# Allegro board Single PMT Data AcquisitionV_3P3.brd (continued)
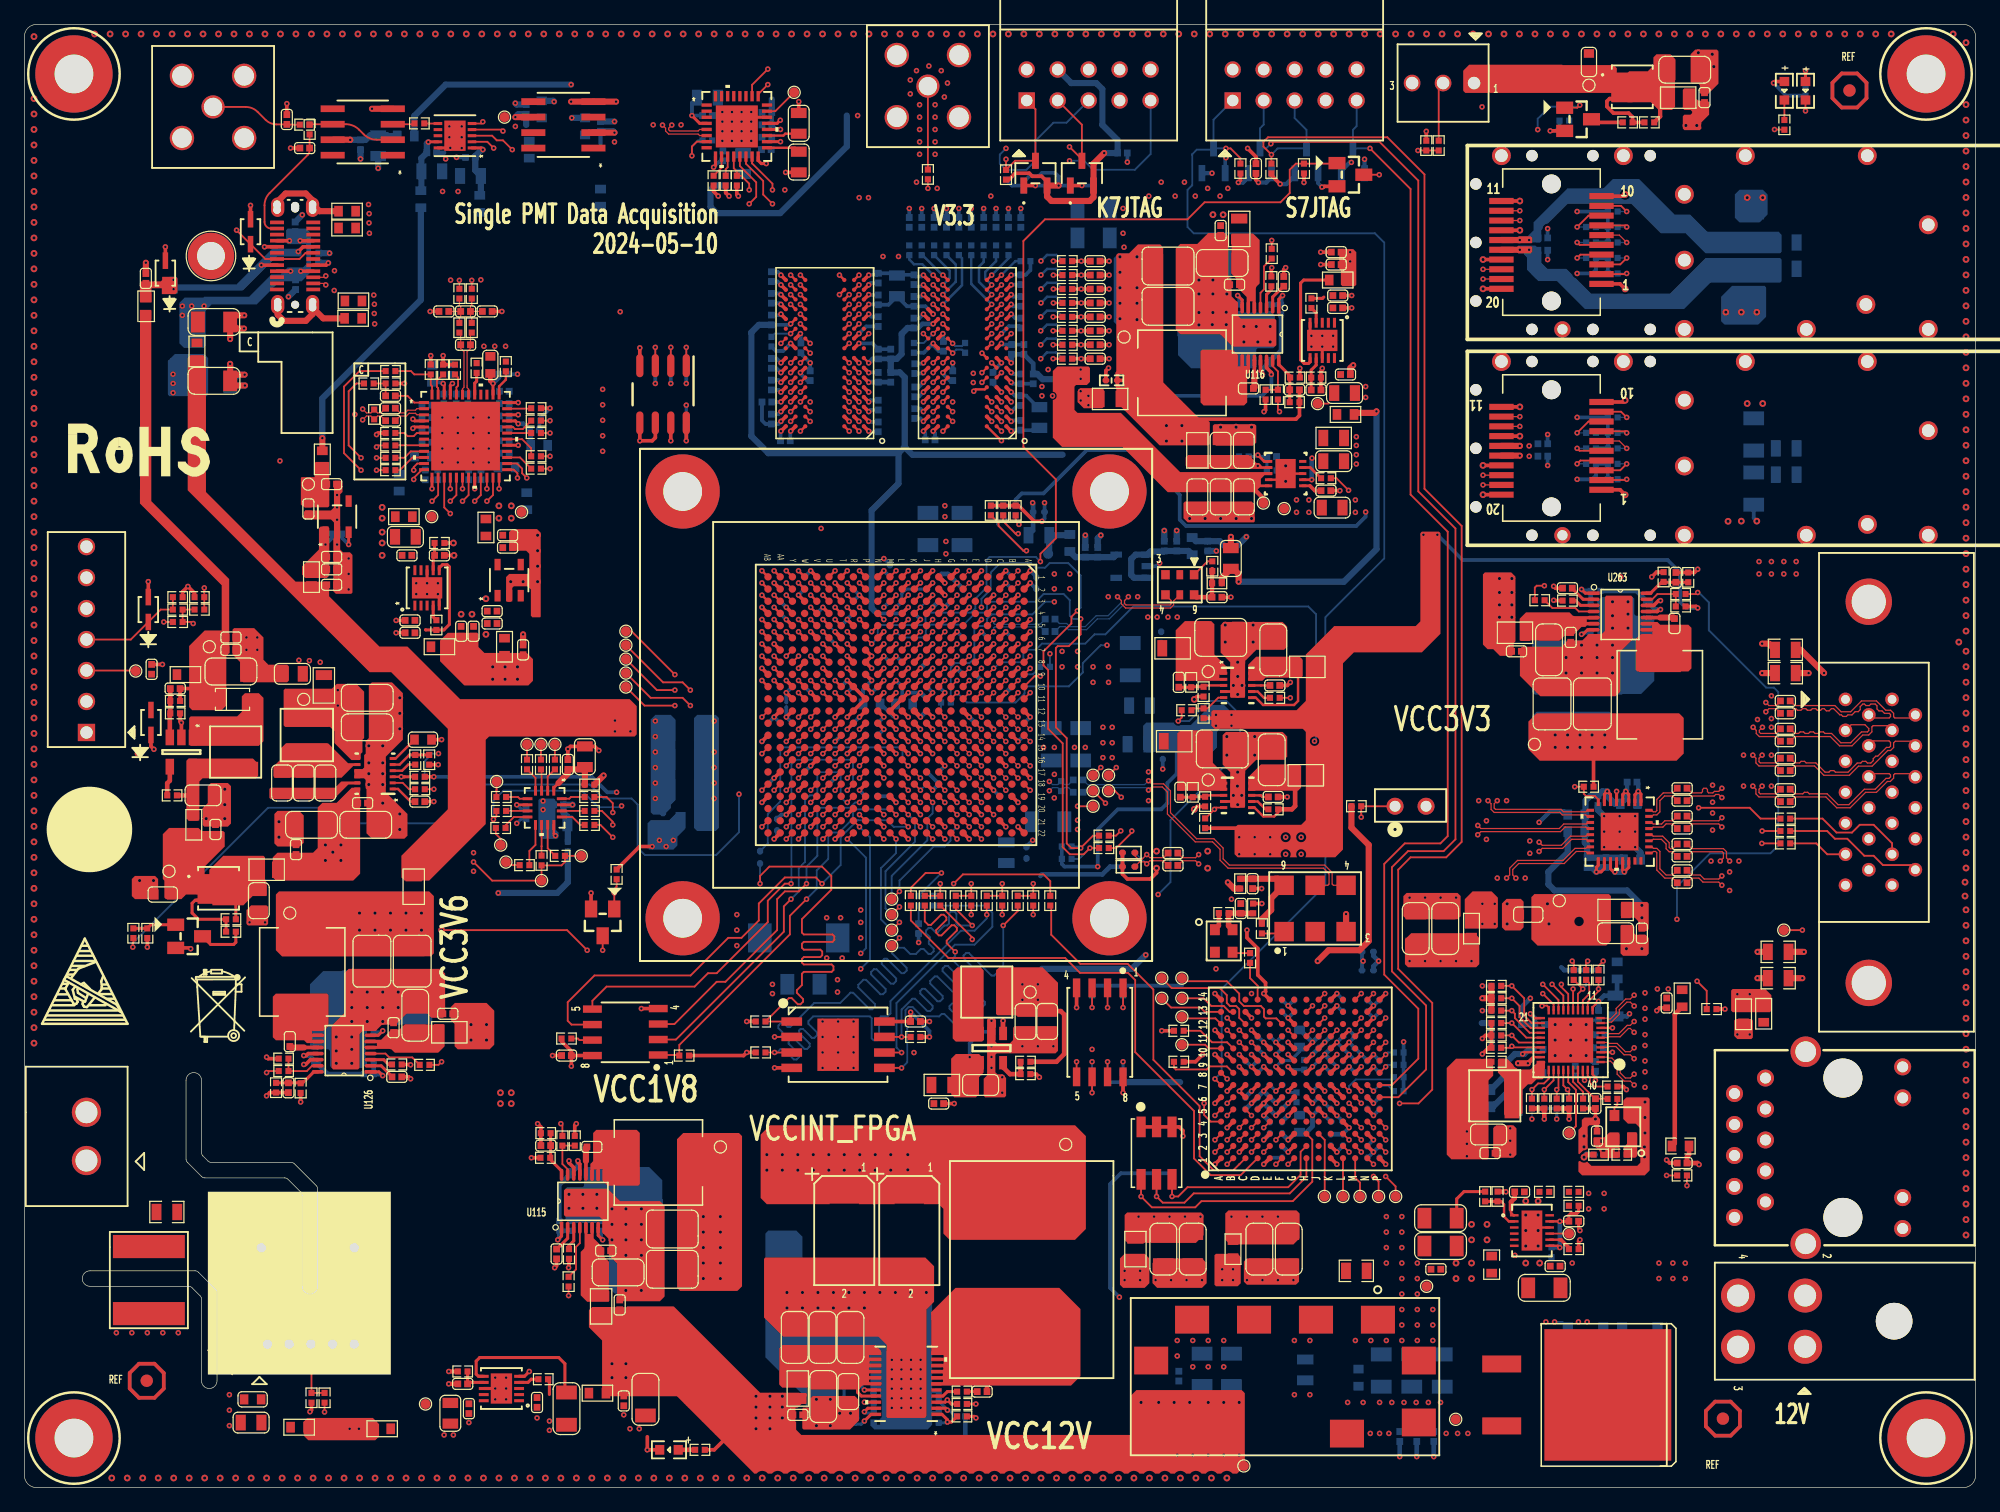
[diagram p0: board, top side]
## Placement (name value [footprint] x y rotation side) (continued)
C2380  10UF  [C0805]  14.65 56.77 0 top
C2381  0.1UF  [C0402]  15.67 53.98 270 top
C2382  10UF  [C1206]  16.94 66.93 0 top
C2383  0.1UF  [C0402]  16.94 68.71 180 top
C2384  100PF  [C0402]  12.37 65.53 0 top
C2385  0.1UF  [C0402]  16.94 69.72 180 top
C2412  0.1UF  [C0402]  9.96 99.17 270 top
C2413  0.1UF  [C0402_BGA]  82.17 52.07 90 bottom
C2414  10UF  [C0805]  18.59 5.33 180 top
C2415  0.1UF  [C0402]  47.24 111.63 270 bottom
C2416  1UF  [C0603]  45.97 111.63 90 bottom
C2417  1UF  [C0603]  42.42 113.03 90 bottom
C2418  0.1UF  [C0402]  41.15 113.03 270 bottom
C2422  10UF  [C0805]  56.01 113.99 0 bottom
C2423  0.1UF  [C0402]  60.88 112.78 0 bottom
C2424  0.1UF  [C0402]  60.88 111.76 0 bottom
C2425  0.1UF  [C0402]  56.01 112.52 180 bottom
C2428  0.1UF  [C0402]  60.88 110.74 0 bottom
C2429  0.1UF  [C0402]  57.28 109.22 270 bottom
C2430  0.1UF  [C0402]  60.83 109.73 0 bottom
C2433  0.1UF  [C0402]  22.27 52.32 270 top
C2434  10UF  [C0805]  19.23 48.13 270 top
C2435  1UF  [C0603]  11.35 48.64 180 top
C2438  10UF  [C0805]  63.5 111.89 90 top
C2439  10UF  [C0805]  63.5 108.71 270 top
C2440  10UF  [C0805]  58.93 108.58 90 bottom
C2441  4.7UF  [C0402]  105.92 90.02 0 top
C2442  10UF  [C0805]  33.4 107.95 0 bottom
C2443  0.1UF  [C0402]  33.4 109.47 0 bottom
C2446  10UF  [C0805]  29.01 110.05 270 bottom
C2447  0.1UF  [C0402]  27.56 110.13 270 bottom
C2448  10UF  [C0805]  36.58 107.57 180 bottom
C2449  0.1UF  [C0402]  36.58 109.09 180 bottom
C2450  0.1UF  [C0402]  97.79 73.03 180 top
C2451  0.1UF  [C0402]  144.4 64.52 180 top
C2452  0.1UF  [C0402]  144.4 63.5 180 top
C2453  0.1UF  [C0402]  144.4 61.21 180 top
C2454  0.1UF  [C0402]  144.4 62.23 180 top
C2455  0.1UF  [C0402]  144.4 58.8 180 top
C2456  0.1UF  [C0402]  144.4 59.82 180 top
C2457  0.1UF  [C0402]  144.4 56.26 180 top
C2458  0.1UF  [C0402]  144.4 57.28 180 top
C2459  0.1UF  [C0402]  135.94 57.35 0 top
C2460  0.1UF  [C0402]  135.94 56.34 0 top
C2461  0.1UF  [C0402]  135.94 55.07 0 top
C2462  0.1UF  [C0402]  135.94 54.05 0 top
C2463  0.1UF  [C0402]  135.94 52.78 0 top
C2464  0.1UF  [C0402]  135.94 51.77 0 top
C2465  0.1UF  [C0402]  135.94 50.62 0 top
C2466  0.1UF  [C0402]  135.94 49.61 0 top
C2467  1UF  [C0603]  131.57 56.08 0 bottom
C2468  1UF  [C0603]  131.83 51.51 0 bottom
C2469  0.1UF  [C0402]  129.03 56.34 90 bottom
C2470  0.1UF  [C0402]  129.69 51.26 90 bottom
C2471  1UF  [C0603]  127.25 55.19 180 bottom
C2472  0.1UF  [C0402]  131.83 57.86 180 bottom
C2473  0.1UF  [C0402]  128.14 51.26 90 bottom
C2474  0.1UF  [C0402]  107.7 96.75 180 top
C2475  4.7UF  [C0402]  36.83 70.23 90 top
C2476  0.1UF  [C0402]  31.62 71.12 0 top
C2477  4.7UF  [C0402]  34.04 76.45 0 top
C2478  0.1UF  [C0402]  38.35 71.88 0 top
C2479  10UF  [C1206]  50.93 7.24 270 top
C2480  0.1UF  [C0402]  42.04 6.99 90 top
C2481  0.1UF  [C0402]  36.45 6.48 90 top
C2482  0.1UF  [C0402_BGA]  75.47 72.69 0 bottom
C2483  4.7UF  [C0402_BGA]  83.18 80.01 0 bottom
C2484  10UF  [C0805]  98.93 76.2 90 top
C2485  0.1UF  [C0402]  97.03 77.22 90 bottom
C2486  4.7UF  [C0402]  93.47 77.22 90 bottom
C2487  0.1UF  [C0402]  94.49 77.22 270 bottom
C2488  4.7UF  [C0402]  88.01 76.71 90 bottom
C2489  0.1UF  [C0402]  87 76.71 270 bottom
C2490  22UF  [C1206]  141.8 86.37 90 bottom
C2491  0.1UF  [C0402]  124.51 85.61 0 bottom
C2492  22UF  [C1206]  141.8 81.93 270 bottom
C2493  0.1UF  [C0402]  124.51 84.59 0 bottom
C2494  0.1UF  [C0402]  44.45 35.43 180 top
C2495  0.47UF  [C0402_BGA]  63.98 58.2 270 bottom
C2499  0.1UF  [C0402]  22.24 98.65 90 bottom
C2500  0.1UF  [C0402]  22.2 103.39 270 bottom
C2501  0.1UF  [C0402]  21.52 112.2 270 top
C2960  10PF  [C0402]  37.96 96.46 180 top
C2961  10PF  [C0402]  34.4 96.46 0 top
C2962  10UF  [C1206]  15.55 95.59 0 top
C2963  10UF  [C1206]  15.55 90.77 0 top
C2964  10UF  [C1206]  15.56 90.63 0 bottom
C2965  0.1UF  [C0402]  22.99 109.86 0 top
C2966  0.1UF  [C0402]  10.43 67.11 270 top
C2967  0.1UF  [C0402]  24.13 100.84 270 bottom
CC1  330UF  [C2917X]  63.5 45.09 90 bottom
CC7  330UF  [C2917X]  67.23 21.08 180 top
CC8  330UF  [C2917X]  72.56 21.08 180 top
CR1  -  [PESD3V3L1BA]  18.54 103 90 top
CR2  -  [PESD15VL1BA]  11.56 99.6 270 top
CR3  -  [PESD15VL1BA]  10.38 62.75 90 top
CR4  -  [PESD3V3L1BA]  10.16 72.01 90 top
D1  MBR0530T1G  [MBR0530]  17.07 64.64 180 top
D2  BAT54SLT1G  [SOT-23]  82.91 107.8 0 top
D3  BAT54SLT1G  [SOT-23]  86.72 107.8 0 top
D4  BAT54SLT1G  [SOT-23]  82.91 107.8 180 bottom
D5  BAT54SLT1G  [SOT-23]  86.72 107.8 180 bottom
D6  BAT54SLT1G  [SOT-23]  108.94 108.81 180 bottom
D7  BAT54SLT1G  [SOT-23]  105.13 108.81 180 bottom
D8  BAT54SLT1G  [SOT-23]  101.32 108.81 180 bottom
D9  BAT54SLT1G  [SOT-23]  97.51 108.81 180 bottom
DS10  SML-LX0603GW-TR  [LED_0603]  144.32 114.55 270 top
DS18  SML-LX0603GW-TR  [LED_0603]  146.05 114.55 270 top
DS24  SML-LX0603GW-TR  [LED_0603]  52.86 3.1 180 top
J1  JTAG  [SBH11-PBPC-D05-ST-BK]  87.27 115.03 0 top
J2  USB4160-03-0230-C  [CONN_USB4160-03-0230-C_GCT]  22.2 101.01 90 top
J6  KRJ-320DNL  [KRJ-320DNL_14P]  149.12 27.87 90 top
J18  -  [0039301040]  149.52 13.65 90 top
J31  RF2-04A-T-00-50-G_DNP  [RF2-04A-T-00-50-G]  74.09 114.94 90 top
J56  JTAG  [SBH11-PBPC-D05-ST-BK]  104.16 115.03 0 top
J60  -  [0022112072]  5.09 69.55 90 top
J61  0022112032_DNP  [0022112032]  116.33 115.19 180 top
J71  -  [RF2-04A-T-00-50-G]  15.47 113.23 0 top
J75  -  [10226-55G3PC]  152.46 57.02 270 top
J76  -  [0353130260]  5.09 28.8 90 top
J77  -  [CON_2]  113.67 55.88 0 top
J78  -  [THS103J]  92.84 27.43 0 top
L3  BLM18SG121TN1D  [L0603]  69.47 64.26 0 bottom
L5  BLM18SG121TN1D  [L0603]  72.14 64.26 180 bottom
L6  BLM21SN300SN1D  [L0805]  144.47 102.11 180 bottom
L7  BLM21SN300SN1D  [L0805]  144.47 99.95 180 bottom
L34  BLM21SN300SN1D  [L0805]  91.31 60.96 0 bottom
L35  BLM18SG121TN1D  [L0603]  99.11 19.56 270 top
L36  BLM21SN300SN1D  [L0805]  91.11 19.56 270 top
L40  BLM18SG121TZ1D_DNP  [L0603]  104.57 36.83 90 bottom
L41  BLM18SG121TZ1D_DNP  [L0603]  104.57 29.84 90 bottom
L42  BLM18SG121TN1D  [L0603]  142.62 38.86 270 top
L43  BLM18SG121TN1D  [L0603]  118.67 45.85 90 top
L44  BLM18SG121TN1D_DNP  [L0603]  135.94 40.13 270 top
L45  BLM15PD121SN1D  [L0402]  129.08 27.3 180 top
L47  BLM15PD121SN1D  [L0402]  46.34 57.65 180 top
L48  BLM15PD121SN1D  [L0402]  44.57 52.57 90 bottom
L50  BLM18SG121TN1D  [L0603]  30.73 82.42 90 bottom
L51  BLM18SG121TN1D  [L0603]  41.2 80.9 90 bottom
L52  BLM18SG121TN1D  [L0603]  42.21 85.47 180 bottom
L54  BLM15PD121SN1D  [L0402]  99.69 49.53 270 top
L55  BLM15PD121SN1D  [L0402]  100.76 47.5 90 top
L85  0.44UH  [PA0513_441NLT]  82.6 17.78 270 top
L86  IHLP2525CZER2R2M01  [IHLP_2525CZ_01]  51.99 26.67 0 top
L89  BLM21SN300SN1D  [L0805]  63.42 8.13 90 top
L90  BLM21SN300SN1D  [L0805]  47.29 14.86 90 top
L91  BLM21SN300SN1D  [L0805]  54.66 54.74 0 bottom
L92  BLM21SN300SN1D  [L0805]  89.03 89.28 0 top
L93  BLM21SN300SN1D  [L0805]  99.61 103.23 270 top
L94  IHLP2525CZER2R2M01  [IHLP_2525CZ_01]  94.92 91.41 180 top
L95  BLM21SN300SN1D  [L0805]  96.19 85.06 270 top
L96  BLM21SN300SN1D  [L0805]  107.36 86.08 0 top
L97  IHLP2525CZER4R7M01  [IHLP_2525CZ_01]  134.11 65.02 270 top
L98  BLM21SN300SN1D  [L0805]  122.22 70.11 0 top
L99  BLM21SN300SN1D  [L0805]  105.08 58.42 180 top
L100  BLM21SN300SN1D  [L0805]  94.28 61.21 180 top
L101  BLM21SN300SN1D  [L0805]  105.2 67.31 180 top
L102  BLM21SN300SN1D  [L0805]  94.15 68.83 180 top
L111  BLM21SN300SN1D  [L0805]  75.23 33.02 0 top
L112  -  [NRS4018T2R2MDGJ]  78.91 40.64 0 top
L115  BLM21SN300SN1D  [L0805]  130.48 47.37 180 top
L116  IHLP2525CZER4R7M01  [IHLP_2525CZ_01]  22.78 42.29 90 top
L117  BLM21SN300SN1D  [L0805]  34.84 37.34 180 top
L118  BLM21SN300SN1D  [L0805]  31.92 49.28 90 top
L122  BLM18SG121TN1D  [L0603]  107.7 99.03 180 top
L125  BLM18SG121TN1D  [L0603]  34.04 68.96 180 top
L126  BLM18SG121TN1D  [L0603]  39.37 68.96 90 top
L129  BLM18SG121TN1D  [L0603]  23.54 74.68 90 top
L130  BLM18SG121TN1D  [L0603]  24.43 84.33 90 top
L131  BLM18SG121TN1D  [L0603]  46.99 7.75 180 top
L132  BLM18SG121TN1D  [L0603]  108.33 88.01 0 top
L134  BLM21SN300SN1D_DNP  [L0805]  135.61 114 180 top
L163  33_1%  [L0402]  36.69 95.12 270 top
L164  33_1%  [L0402]  35.67 95.12 270 top
L228  -  [XFL4020-472ME]  23.16 61.72 90 top
L233  BLM21SN300SN1D  [L0805]  91.44 64.14 0 bottom
L237  BLM18SG121TN1D  [L0603]  13.89 54.36 90 top
L239  NRS4018T100MDGJ  [NRS4018T2R2MDGJ]  17.32 60.33 90 top
L242  BLM18SG121TN1D  [L0603]  140.97 38.81 270 top
L243  BLM18SG121TN1D  [L0603]  130.6 42.42 270 bottom
L244  BLM18SG121TN1D  [L0603]  119.55 31.24 0 bottom
L245  BLM18SG121TN1D  [L0603]  119.55 32.64 0 bottom
L246  -  [NRS4018T2R2MDGJ]  120.57 32.13 0 top
L261  BLM18SG121TN1D  [L0603]  9.96 96.88 270 top
L263  BLM21SN300SN1D  [L0805]  24.56 65.79 90 top
L265  BLM21SN300SN1D  [L0805]  80.52 52.07 90 bottom
L266  BLM18SG121TN1D  [L0603]  22.53 4.95 180 top
L268  BLM18SG121TN1D  [L0603]  47.24 105.79 90 bottom
L269  BLM18SG121TN1D  [L0603]  41.4 109.73 270 bottom
L273  BLM21SN300SN1D  [L0805]  19.86 50.67 180 top
L278  BLM15PD121SN1D  [L0402]  57.53 107.19 90 bottom
L279  BLM18SG121TN1D  [L0603]  31.27 110.84 0 bottom
L280  BLM18SG121TN1D  [L0603]  32.51 105.66 90 bottom
L281  BLM18SG121TN1D  [L0603]  37.34 105.28 90 bottom
L282  BLM15PD121SN1D  [L0402]  97.79 74.17 0 top
L283  BLM18SG121TN1D  [L0603]  127.25 53.8 0 bottom
L284  BLM18SG121TN1D  [L0603]  31.11 79.63 180 top
L285  BLM18SG121TN1D  [L0603]  37.85 78.74 90 top
L286  BLM18SG121TN1D  [L0603]  29.34 4.83 180 top
L287  BLM21SN300SN1D  [L0805]  83.19 78.11 0 bottom
L288  BLM18SG121TN1D  [L0603]  95.76 77.22 270 bottom
L289  BLM18SG121TN1D  [L0603]  85.72 77.47 90 bottom
L290  BLM21SN300SN1D  [L0805]  144.47 85.23 180 bottom
L291  BLM21SN300SN1D  [L0805]  144.47 83.07 180 bottom
L292  BLM18SG121TN1D  [L0603]  14.15 93.18 270 top
L293  BLM18SG121TN1D  [L0603]  26.46 103.3 180 top
L294  BLM18SG121TN1D  [L0603]  26.96 95.89 180 top
L295  BLM18SG121TN1D  [L0603]  26.46 104.68 180 top
L296  BLM18SG121TN1D  [L0603]  26.98 97.32 180 top
L297  BLM18SG121TN1D_DNP  [L0603]  14.16 93.17 270 bottom
L298  BLM18SG121TN1D_DNP  [L0603]  13.21 66.67 180 top
MH1  MH_125_250  [MH_250H125]  155.94 4.06 0 top
MH2  MH_125_250  [MH_250H125]  4.06 4.06 0 top
MH3  MH_125_250  [MH_250H125]  4.06 115.94 0 top
MH4  MH_125_250  [MH_250H125]  155.94 115.94 0 top
MH5  -  [MH_150H90]  15.3 101.01 0 top
NOREF  -  []  15.79 11.6 0 top
NOREF#2  -  []  0 0 0 top
NOREF#3  -  []  0 116.35 0 top
NOREF#4  -  []  14.14 76.4 0 top
NOREF#5  -  []  0 0 0 top
NOREF#6  -  []  15.88 39.62 0 top
NOREF#7  -  []  23.54 15.89 0 top
NOREF#8  -  []  5.84 54.2 0 top
NOREF#9  -  []  272.62 124.21 0 top
NOREF#10  -  []  -101.35 -164.21 0 top
NOREF#11  -  []  4.27 41.03 0 top
NOREF#12  -  []  4.06 4.06 0 top
NOREF#13  -  []  1.77 0 90 top
NOREF#14  -  []  4.06 4.06 0 top
P3  0744410010_0747370010  [0744410010_0747370010#2]  156.12 103.57 180 top
P4  -  [0744410010_0747370010]  156.12 86.68 180 top
Q1  PSMN1R1-40BS  [PSMN1R1]  128.83 7.6 270 top
Q10  -  [NDS331N]  47.42 46.35 180 top
Q15  -  [NDS331N]  108.73 107.67 270 top
Q20  CSD25402Q3A_DNP  [CSD25402]  131.85 114.88 0 top
Q21  NDS331N_DNP  [NDS331N]  127.4 112.22 270 top
Q22  CSD25402Q3A  [CSD25402]  15.92 49.15 0 top
Q23  -  [NDS331N]  13.51 45.21 270 top
R4  4.7K  [R0402]  85.47 51.56 0 bottom
R8  4.7K  [R0402]  82.09 100.58 0 bottom
R11  4.7K  [R0402]  130.25 99.57 0 bottom
R12  4.7K_DNP  [R0402]  130.25 100.84 0 bottom
R13  4.7K  [R0402]  130.25 102.11 0 bottom
R14  4.7K  [R0402]  128.47 103.38 180 bottom
R41  4.7K  [R0402_BGA]  77.98 56.19 270 bottom
R42  4.7K  [R0402]  85.47 52.58 0 bottom
R87  240  [R0402]  146.05 114.55 90 bottom
R165  100  [R0402_BGA]  74.98 74.19 90 bottom
R219  10K  [R0402]  102.28 83.41 0 bottom
R220  10K  [R0402]  48.56 50.29 270 top
R221  10K  [R0402]  100 84.56 0 bottom
R233  33_DNP  [R0402]  73.33 48.13 90 bottom
R276  1K  [R0402_BGA]  73.98 58.19 90 bottom
R337  1K  [R0402]  79.25 80.14 270 top
R338  1K_DNP  [R0402]  80.26 80.14 270 top
R339  1K_DNP  [R0402]  81.28 80.14 270 top
R340  1K  [R0402]  81.28 80.14 90 bottom
R341  1K  [R0402]  80.26 80.14 90 bottom
R342  1K_DNP  [R0402]  79.25 80.14 90 bottom
R391  4.7K  [R0402]  130.25 104.65 0 bottom
R392  4.7K  [R0402]  130.25 103.38 0 bottom
R395  330  [R0402]  104.92 108.18 90 top
R396  330  [R0402]  144.32 111.76 90 top
R455  10K  [R0402]  80.49 107.67 90 bottom
R456  10K  [R0402]  80.49 107.67 90 top
R458  240  [R0402]  61.26 93.98 270 bottom
R459  0  [R0402]  106.73 82.78 0 top
R460  40.2  [R0402]  77.64 101.47 270 bottom
R461  40.2  [R0402]  75.61 101.47 270 bottom
R462  40.2  [R0402]  78.66 101.47 270 bottom
R463  40.2  [R0402]  85.52 98.3 180 top
R464  40.2  [R0402]  85.52 99.44 180 bottom
R465  40.2  [R0402]  85.52 99.44 180 top
R466  40.2  [R0402]  85.52 100.58 180 bottom
R467  40.2  [R0402]  85.52 100.58 180 top
R468  40.2  [R0402]  72.56 101.47 270 bottom
R469  40.2  [R0402]  79.68 101.47 270 bottom
R470  40.2  [R0402]  85.52 96.01 180 bottom
R471  40.2  [R0402]  74.6 101.47 270 bottom
R472  40.2  [R0402]  76.63 101.47 270 bottom
R473  40.2  [R0402]  80.69 101.47 270 bottom
R474  40.2  [R0402]  73.58 101.47 270 bottom
R475  40.2  [R0402]  85.52 97.16 180 bottom
R476  40.2  [R0402]  85.52 94.87 180 top
R477  40.2  [R0402]  85.52 98.3 180 bottom
R478  40.2  [R0402]  85.52 96.01 180 top
R479  40.2  [R0402]  85.52 97.16 180 top
R480  40.2  [R0402]  85.52 93.73 180 bottom
R481  40.2  [R0402]  85.52 92.58 180 bottom
R482  40.2  [R0402]  85.52 92.58 180 top
R483  40.2  [R0402]  85.52 94.87 180 bottom
R484  40.2  [R0402]  85.52 93.73 180 top
R488  80.6  [R0402]  77.14 93.47 90 bottom
R490  240  [R0402]  72.94 93.47 270 bottom
R496  4.7K  [R0402]  60.37 38.23 0 top
R497  4.7K  [R0402]  60.37 35.69 0 top
R498  4.7K  [R0402]  73.07 36.96 180 top
R499  4.7K  [R0402]  54.28 91.95 90 bottom
R500  4.7K  [R0402]  53.01 91.95 90 bottom
R501  4.7K  [R0402]  51.74 91.95 90 bottom
R502  0_DNP  [R0402_BGA]  60.33 51.69 270 bottom
R503  0  [R0402]  82.72 48.13 270 top
R504  0_DNP  [R0402]  81.45 48.13 270 top
R505  0  [R0402]  77.64 48.13 270 top
R506  0_DNP  [R0402]  76.37 48.13 270 top
R507  0  [R0402]  72.69 48.13 270 top
R508  0_DNP  [R0402]  74.6 48.13 270 bottom
R509  0  [R0402]  80.18 48.13 270 top
R510  0_DNP  [R0402]  78.91 48.13 270 top
R511  0  [R0402]  75.1 48.13 270 top
R512  0_DNP  [R0402]  73.83 48.13 270 top
R516  4.7K  [R0402]  128.47 102.11 180 bottom
R517  4.7K  [R0402]  128.47 100.84 180 bottom
R657  1K  [R0402]  94.66 37.47 180 top
R658  4.7K  [R0402]  90.09 40.77 270 bottom
R659  4.7K  [R0402]  87.55 40.77 270 bottom
R660  4.7K  [R0402]  88.82 33.66 90 bottom
R665  0_DNP  [R0402]  104.95 34.67 90 bottom
R666  0_DNP  [R0402_BGA]  106.62 33.02 0 bottom
R667  10K  [R0402]  102.26 108.18 90 top
R668  10K  [R0402]  99.72 108.18 90 top
R669  0  [R0402]  100.5 43.43 270 top
R670  0  [R0402]  87.55 33.66 90 bottom
R676  0  [R0402]  88.52 52.45 0 top
R678  0  [R0402]  88.52 53.47 0 top
R680  0  [R0402]  84.12 48.13 270 top
R784  4.7K  [R0402]  112.7 34.67 180 bottom
R785  4.7K  [R0402]  112.7 33.66 180 bottom
R786  0  [R0402]  112.7 32.51 0 bottom
R787  330  [R0402]  112.7 35.69 180 bottom
R788  0_DNP  [R0402]  94.66 34.92 0 top
R789  0_DNP  [R0402_BGA]  106.12 34.52 270 bottom
R790  0_DNP  [R0402]  104.31 32 270 bottom
R791  0_DNP  [R0402_BGA]  102.62 33.02 0 bottom
R833  10_DNP  [R0603]  135.8 28.01 180 top
R834  330  [R0402]  135.93 25.6 0 top
R835  330  [R0402]  138.35 39.24 0 top
R844  0  [R0402]  127.81 31.5 90 top
R845  2.49K  [R0402]  130.22 32.89 0 top
R848  0  [R0402]  130.98 27.3 180 top
R849  1.5K  [R0402]  128.06 42.04 270 bottom
R850  4.7K  [R0402]  123.62 31.5 90 top
R851  4.7K  [R0402]  129.08 42.04 270 bottom
R852  0  [R0402]  123.62 31.5 270 bottom
R853  0  [R0402]  129.08 42.04 90 top
R854  0  [R0402]  128.06 42.04 90 top
R855  0  [R0402]  127.05 42.04 90 top
R856  4.7K_DNP  [R0402]  120.7 41.15 180 bottom
R857  4.7K  [R0402]  120.7 41.15 0 top
R858  0  [R0402]  130.22 31.88 180 top
R860  4.7K_DNP  [R0402]  120.7 36.07 0 bottom
R861  4.7K_DNP  [R0402]  120.7 37.08 0 bottom
R862  4.7K_DNP  [R0402]  120.7 40.13 0 top
R863  4.7K  [R0402]  120.7 39.12 0 top
R864  4.7K  [R0402]  120.7 38.1 0 bottom
R865  4.7K_DNP  [R0402]  126.67 31.5 90 top
R866  4.7K_DNP  [R0402]  125.65 31.5 90 top
R867  4.7K  [R0402]  124.63 31.5 90 top
R868  4.7K  [R0402]  120.7 36.07 180 top
R869  4.7K  [R0402]  120.7 37.08 180 top
R870  4.7K  [R0402]  120.7 40.13 180 bottom
R871  4.7K_DNP  [R0402]  120.7 39.12 180 bottom
R872  4.7K_DNP  [R0402]  120.7 38.1 180 top
R873  4.7K  [R0402]  126.67 31.5 270 bottom
R874  4.7K  [R0402]  125.65 31.5 270 bottom
R875  4.7K_DNP  [R0402]  124.63 31.5 270 bottom
R916  1.5K_DNP  [R0805]  11.68 22.6 180 top
R933  0_DNP  [R0402]  42.36 59.3 270 top
R934  0  [R0402]  39.1 56.64 0 top
R936  0  [R0402]  42.41 51.43 270 top
R937  0  [R0402]  41.01 51.05 180 top
R943  0  [R0402]  46.34 56.64 0 top
R944  0  [R0402]  46.34 55.49 0 top
R945  0  [R0402]  46.34 54.35 0 top
R946  0  [R0402]  39.1 55.49 180 top
R965  33  [R0402]  36.69 97.92 270 top
R966  33  [R0402]  35.67 97.92 270 top
R967  0  [R0402]  41.96 88.52 180 top
R968  0  [R0402]  35.31 91.69 270 top
R970  0  [R0402]  30.02 85.47 180 top
R971  0  [R0402]  39.48 91.95 90 top
R972  0  [R0402]  41.96 83.57 0 top
R973  0  [R0402]  30.02 91.57 180 top
R974  49.9  [R0402]  30.02 90.55 0 top
R975  10K  [R0402]  33.32 91.69 90 top
R976  0  [R0402]  30.02 86.49 0 top
R977  0  [R0402]  41.96 86.49 180 top
R978  0  [R0402]  41.96 84.58 180 top
R979  0  [R0402]  41.96 87.5 180 top
R980  0  [R0402]  37.08 91.82 270 top
R981  10K  [R0402]  34.34 91.69 90 top
R982  100  [R0402]  28.68 88.01 90 top
R984  0_DNP  [R0402]  101.47 45.85 90 top
R986  0  [R0402]  98.34 47.12 0 top
R993  0  [R0402]  74.09 107.7 270 top
R1033  10K  [R0402]  127.05 19.56 180 top
R1034  10m  [R1206]  132.46 12.7 180 bottom
R1036  100K  [R0402]  124.63 24.26 180 top
R1037  680K  [R0402]  127.05 24.26 180 top
R1038  1M  [R0402]  125.22 19.3 90 bottom
R1039  1M  [R0402]  127.05 23.11 0 top
R1040  49.9K  [R0402]  119.78 23.88 270 top
R1041  100K  [R0402]  76.88 6.86 180 top
R1042  187K_DNP  [R0402]  67.61 5.33 0 bottom
R1043  100K  [R0402]  69.64 5.71 90 bottom
R1044  100K  [R0402]  69.64 7.37 270 bottom
R1045  20K  [R0402]  76.75 5.84 180 bottom
R1046  15K  [R0402]  74.98 5.71 270 bottom
R1047  10K  [R0402]  76.88 5.84 0 top
R1048  4.7K  [R0402]  74.98 7.49 90 bottom
R1049  0  [R0402]  76.88 7.87 0 top
R1050  124K_DNP  [R0402]  67.61 6.86 0 bottom
R1057  1M  [R0402]  42.75 29.07 180 top
R1058  10K  [R0402]  45.13 28.45 270 top
R1059  0  [R0402]  44.62 16.89 90 top
R1060  0  [R0402]  44.12 28.45 270 top
R1061  0_DNP  [R0402]  43.86 21.46 90 bottom
R1062  10  [R0603]  120.32 18.29 90 top
R1063  4.99K  [R0402]  120.8 23.88 90 top
R1064  0  [R0402]  44.88 21.46 270 bottom
R1065  52.3K  [R0402]  44.65 19.16 270 top
R1066  0_DNP  [R0402]  47.29 21.46 270 bottom
R1067  0  [R0402]  102.28 101.19 270 top
R1068  52.3K  [R0402]  102.25 98.92 90 top
R1069  0_DNP  [R0402]  99.61 96.62 90 bottom
R1070  0  [R0402]  102.03 96.62 90 bottom
R1071  0_DNP  [R0402]  103.04 96.62 270 bottom
R1072  1M  [R0402]  104.16 89.02 0 top
R1073  1.13M  [R0402]  104.19 91.03 0 top
R1074  10K  [R0402]  101.77 89.64 90 top
R1075  0  [R0402]  102.79 89.64 90 top
R1076  10K  [R0402]  135.81 72.27 180 top
R1077  0  [R0402]  124.26 72.77 0 top
R1078  0  [R0402]  135.81 73.28 180 top
R1079  0_DNP  [R0402]  128.83 73.54 0 bottom
R1080  0  [R0402]  128.83 72.52 180 bottom
R1083  52.3K  [R0402]  126.53 72.74 180 top
R1084  0_DNP  [R0402]  128.83 70.11 180 bottom
R1085  1M  [R0402]  136.43 74.65 90 top
R1086  316K  [R0402]  134.42 74.68 90 top
R1089  806K  [R0402]  42.72 27.05 180 top
R1091  10.2K  [R0402]  96.82 56.26 270 top
R1098  2.55K  [R0402]  95.81 57.02 90 top
R1100  10K  [R0402]  96.82 54.48 90 top
R1101  0  [R0402]  102.41 55.63 180 top
R1112  10K  [R0402]  96.69 63.5 90 top
R1113  5.9K  [R0402]  95.68 66.04 90 top
R1114  11.8K  [R0402]  96.69 65.28 270 top
R1115  0  [R0402]  102.54 64.77 180 top
R1116  0  [R0402]  95.3 63.75 180 top
R1129  158K  [R0402]  82.09 34.92 180 top
R1130  49.9K  [R0402]  82.09 33.91 0 top
R1138  10K  [R0402]  79.8 37.38 0 bottom
R1139  10K  [R0402]  21.26 35.18 0 top
R1140  0  [R0402]  32.81 34.67 180 top
R1141  0  [R0402]  21.26 34.16 0 top
R1142  0_DNP  [R0402]  28.24 33.91 180 bottom
R1143  0  [R0402]  28.24 34.92 0 bottom
R1144  52.3K  [R0402]  30.54 34.7 0 top
R1145  0_DNP  [R0402]  28.24 37.34 0 bottom
R1146  1M  [R0402]  20.64 32.8 270 top
R1147  287K  [R0402]  22.65 32.77 270 top
R1150  10K_DNP  [R0402]  105.54 97.13 90 top
R1185  0  [R0402]  25.64 78.23 180 bottom
R1196  100K_DNP  [R0402]  126.28 112.11 180 bottom
R1197  0_DNP  [R0402]  126.28 113.25 180 bottom
R1198  100K_DNP  [R0402]  133.24 111.96 180 top
R1882  287K  [R0402]  32.05 59.69 90 top
R1883  100K  [R0402]  33.19 59.69 270 top
R1884  0  [R0402]  32.43 57.28 180 top
R1885  100K  [R0402]  32.43 58.29 180 top
R1886  0  [R0402]  32.43 58.29 180 bottom
R1918  15K_DNP  [R0402]  24.61 7.37 90 top
R1919  20K_DNP  [R0402]  23.54 7.37 90 top
R1928  1K_DNP  [R0402]  114.96 110.06 270 top
R1929  0_DNP  [R0402]  115.97 110.06 270 top
R1932  0  [R0402]  28.24 90.55 0 top
R2034  0  [R0402]  14.35 72.01 180 top
R2036  10K_DNP  [R0402]  14.35 73.03 180 top
R2037  10K  [R0402]  12.11 56.77 180 top
R2038  150K  [R0402]  12.37 64.52 0 top
R2039  13K  [R0402]  12.37 63.5 0 top
R2046  0_DNP  [R0402]  120.7 34.92 0 top
R2047  0  [R0402]  127.81 31.5 270 bottom
R2048  0  [R0402]  122.73 38.35 90 bottom
R2050  4.7K  [R0402]  55.4 3.1 180 top
R2076  0  [R0402]  30.02 84.45 180 top
R2077  0  [R0402]  30.02 83.44 180 top
R2083  10K_DNP  [R0402]  42.55 8.89 0 top
R2084  0_DNP  [R0805]  143.81 43.94 180 top
R2085  0_DNP  [R0805]  143.81 41.78 180 top
R2086  0_DNP  [R0805]  144.4 66.8 180 top
R2087  0_DNP  [R0805]  144.4 68.7 180 top
R2097  100K  [R0402]  16.94 46.61 180 top
R2098  0  [R0402]  8.94 45.47 270 top
R2099  100K  [R0402]  10.08 45.47 270 top
R2102  0  [R0402]  75.56 64.39 180 bottom
R2104  4.7K  [R0402]  57.51 107.19 90 top
R2105  4.7K  [R0402]  56.52 107.19 270 top
R2106  4.7K  [R0402]  58.42 107.19 270 top
R2107  4.7K  [R0402]  56.01 110.49 0 bottom
R2116  0  [R0402]  83.69 67.31 0 bottom
R2118  0  [R0402]  32.39 111.88 180 top
R2119  0_DNP  [R0402]  12.57 70.99 180 top
R2120  4.7K  [R0402]  109.22 55.88 0 top
R2121  4.7K  [R0402]  97.41 75.56 270 top
R2122  0_DNP  [R0805]  109.22 17.78 180 top
R2123  0  [R0805]  105.03 9.65 90 bottom
R2124  0_DNP  [R0402]  144.4 54.86 180 top
R2125  0_DNP  [R0402]  144.4 52.83 180 top
R2126  0_DNP  [R0402]  144.4 53.85 180 top
R2127  100_DNP  [R0402]  85.01 57.53 270 bottom
R2128  100K  [R0402]  16.94 45.59 0 top
R2129  100K_DNP  [R0402]  131.47 111.96 180 top
R2130  10m  [R1206]  128.02 12.7 180 bottom
R2131  0_DNP  [R0402]  43.5 59.3 270 top
R2132  0  [R0402]  43.93 51.81 0 top
R2133  0_DNP  [R0402]  41.22 59.3 270 top
R2134  0  [R0402]  39.06 54.1 180 top
R2135  4.7K  [R0402]  128.27 57.48 180 top
R2136  33K  [R0402]  105.92 91.03 0 top
R2137  18K  [R0402]  34.04 77.47 0 top
R2138  10K_DNP  [R0402]  33.78 70.74 270 top
R2139  49.9K  [R0402]  35.94 9.53 180 top
R2140  80.6  [R0402_BGA]  66.48 70.69 180 bottom
R2141  80.6  [R0402_BGA]  66.48 61.69 180 bottom
R2142  80.6  [R0402_BGA]  73.98 73.19 270 bottom
R2143  80.6  [R0402_BGA]  64.98 71.19 90 bottom
R2144  4.7K  [R0402]  128.47 85.23 180 bottom
R2145  4.7K  [R0402]  128.47 83.96 180 bottom
R2146  4.7K  [R0402]  130.25 82.69 0 bottom
R2147  4.7K_DNP  [R0402]  130.25 83.96 0 bottom
R2148  4.7K  [R0402]  130.25 85.23 0 bottom
R2149  4.7K  [R0402]  130.25 86.5 0 bottom
R2150  4.7K  [R0402]  130.25 87.77 0 bottom
R2151  4.7K  [R0402]  128.47 86.5 180 bottom
R2152  10K  [R0402]  54.1 35.43 180 top
R2153  4.7K  [R0402]  44.45 36.83 0 top
R2154  1K  [R0402_BGA]  94.11 25.27 270 bottom
R2155  1K  [R0402_BGA]  92.84 25.27 270 bottom
R2156  1K  [R0402_BGA]  91.57 25.27 270 bottom
R2157  1K  [R0402_BGA]  90.55 52.07 0 bottom
R2158  1K  [R0402_BGA]  90.55 50.93 0 bottom
R2159  1K  [R0402_BGA]  90.55 52.07 180 top
R2160  1K  [R0402_BGA]  90.55 50.93 180 top
R2167  0  [R0402]  22.98 111.78 180 top
R2168  0  [R0402]  23.39 111.38 270 top
R2169  0_DNP  [R0402]  12.57 72.01 0 top
R2170  10K_DNP  [R0402]  12.57 73.03 0 top
REF  -  [unnamed#2]  139.28 5.66 0 top
REF#2  -  [unnamed#2]  149.66 114.58 0 top
REF#3  -  [unnamed#2]  10.03 8.76 0 top
REF#4  -  [unnamed#2]  10.03 8.76 180 bottom
REF#5  -  [unnamed#2]  139.28 5.66 180 bottom
REF#6  -  [unnamed#2]  149.66 114.58 180 bottom
TP15  TP  [TP0_8]  71.12 44.45 0 top
TP20  TP  [TP0_8]  126.67 29.08 270 top
TP30  TP  [TP0_8]  42.36 60.95 90 top
TP37  TP  [TP0_8]  117.37 5.6 0 top
TP38  TP  [TP0_8]  114.98 16.51 0 top
TP39  TP  [TP0_8]  100 1.78 0 top
TP40  TP  [TP0_8]  126.67 20.83 0 top
TP41  TP  [TP0_8]  85.39 28.14 0 top
TP43  TP  [TP0_8]  57.07 27.94 90 top
TP44  TP  [TP0_8]  90.17 94.36 270 top
TP45  TP  [TP0_8]  123.83 60.96 0 top
TP47  TP  [TP0_8]  97.08 58.04 180 top
TP48  TP  [TP0_8]  101.6 80.75 0 top
TP49  TP  [TP0_8]  103.3 80.29 0 top
TP52  TP  [TP0_8]  97.08 66.93 180 top
TP58  TP  [TP0_8]  82.47 40.64 180 top
TP60  TP  [TP0_8]  125.86 48.13 180 top
TP61  TP  [TP0_8]  21.76 47.12 180 top
TP62  TP  [TP0_8]  106.05 88.9 270 top
TP64  TP  [TP0_8]  33.4 79.63 90 top
TP65  TP  [TP0_8]  40.77 80.01 90 top
TP68  TP  [TP0_8]  32.89 6.86 180 top
TP69  TP  [TP0_8]  128.29 115.01 180 top
TP77  TP  [TP0_8]  38.72 57.91 270 top
TP79  TP  [TP0_8]  42.41 49.78 270 top
TP80  TP  [TP0_8]  39.49 51.3 0 top
TP83  TP  [TP0_8]  22.91 64.64 0 top
TP87  TP  [TP0_8]  9.13 66.97 0 top
TP88  TP  [TP0_8]  15.16 68.96 90 top
TP90  TP  [TP0_8]  109.52 23.88 0 top
TP91  TP  [TP0_8]  106.6 23.88 0 top
TP92  TP  [TP0_8]  94.92 36.32 180 top
TP93  TP  [TP0_8]  94.92 38.61 180 top
TP94  TP  [TP0_8]  93.27 40.13 180 top
TP95  TP  [TP0_8]  94.92 40.13 180 top
TP96  TP  [TP0_8]  93.27 41.78 180 top
TP97  TP  [TP0_8]  94.92 41.78 180 top
TP98  TP  [TP0_8]  108.12 23.88 0 top
TP100  TP  [TP0_8]  111.05 23.88 0 top
TP101  TP  [TP0_8]  112.44 23.88 0 top
TP102  TP  [TP0_8]  87.63 58.42 0 top
TP103  TP  [TP0_8]  87.63 57.15 0 top
TP104  TP  [TP0_8]  87.63 55.88 0 top
TP105  TP  [TP0_8]  88.9 58.42 0 top
TP106  TP  [TP0_8]  88.9 57.15 0 top
TP112  TP  [TP0_8]  71.12 46.99 0 top
TP113  TP  [TP0_8]  71.12 48.26 0 top
TP114  TP  [TP0_8]  71.12 45.72 0 top
TP116  TP  [TP0_8]  49.32 69.09 270 top
TP133  TP  [TP0_8]  49.32 70.23 270 top
TP134  TP  [TP0_8]  49.32 65.66 270 top
TP135  TP  [TP0_8]  49.32 67.94 270 top
TP136  TP  [TP0_8]  49.32 66.8 270 top
TP137  TP  [TP0_8]  23.29 82.3 90 top
TP138  TP  [TP0_8]  144.27 45.72 90 top
TP139  TP  [TP0_8]  39.37 112.39 180 top
TP140  TP  [TP0_8]  11.86 50.55 180 top
TP141  TP  [TP0_8]  63.12 114.43 90 top
TP142  TP  [TP0_8]  43.5 60.95 0 top
TP143  TP  [TP0_8]  45.66 51.81 0 top
TP144  TP  [TP0_8]  41.22 60.95 0 top
TP145  TP  [TP0_8]  39.06 52.7 0 top
TP146  TP  [TP0_8]  83.95 76.58 90 bottom
U1  XC7K70T-2FBG484I  [XC7K70T2FBG484I]  71.48 64.19 270 top
U7  MT25QU512ABB1EW9-0SIT_DNP  [MT25QU512ABB1EW9]  66.72 36.32 0 top
U23  -  [TPS51200DRC]  103.42 83.16 0 top
U75  MT41K512M16VRP-107 IT:P  [MT41K512M16VRP]  65.63 93.04 180 top
U76  MT41K512M16VRP-107 IT:P  [MT41K512M16VRP]  77.32 93.04 180 top
U79  -  [TMP75BID]  52.37 89.66 270 top
U88  XC7S15-2FTGB196I  [XC7S15-1FTGB196I]  104.63 33.52 90 top
U89  -  [W25Q128FVSIG]  88.19 37.34 180 top
U90  50MHz  [ECS-2520MV]  98.34 44.83 90 top
U93  -  [RTL8211FI-CG]  126.79 36.7 180 top
U94  25MHz  [ECS-2520MV]  131.11 29.59 270 top
U95  C10940-03_DNP  [C10940-03]  23.24 15.72 0 top
U98  -  [AD5592RBCPZ-1-RL7]  42.66 55.75 270 top
U102  -  [AD9265BCPZ]  36.18 86.23 0 top
U103  SIT5021AI-2DE-33E-100.000000X  [SIT5021]  105.84 47.5 0 top
U111  QPI-12LZ-01  [QPI-12LZ]  103.37 9.1 180 top
U112  -  [LT4356HDE-1]  123.62 21.08 0 top
U113  -  [TPS53353DQP]  72.31 8.51 180 top
U115  LT8610ACEMSE  [LT8610AC]  45.8 23.48 0 top
U116  LT8610ACEMSE  [LT8610AC]  101.11 94.6 180 top
U118  -  [TPS7A9201DSKR]  99.49 56.77 0 top
U119  -  [TPS7A9201DSKR]  99.49 65.79 0 top
U124  -  [TLV62565DBVR]  79.3 36.05 270 top
U126  LT8610ACEMSE  [LT8610AC]  26.22 35.84 90 top
U127  Value  [LT3045EDD]  106.43 94.08 270 top
U129  Value  [LT3045EDD]  33.02 73.79 90 top
U130  ADP150AUJZ-1.8-R7  [ADP150AUJZ]  39.75 74.42 90 top
U132  ADP150AUJZ-3.3-R7  [ADP150AUJZ]  25.64 79.63 90 top
U133  Value  [LT3045EDD]  39.12 8.13 180 top
U134  ATS-08D-51-C2-R0_DNP  [ATS-08D-51-C2-R0]  71.48 64.19 270 top
U236  -  [TPS63710DRRR]  28.75 58.55 180 top
U261  -  [LMR64010]  12.87 60.33 270 top
U263  LT8610ACEMSE  [LT8610AC]  130.85 71.6 270 top
U264  -  [ADR4525BRZ]  44.2 111.76 180 top
U267  -  [CDCM61001]  58.42 111.63 0 top
U268  -  [AD5542ABCPZ-1-RL7]  35.31 110.87 180 top
U269  ADA4841-1YRZ  [ADA4523-1BRZ]  27.74 111.18 180 top
U270  156.25MHz  [SMD-3225]  94.74 74.04 180 top
U271  Value  [DS90LV804TSQ]  130.81 53.8 270 top
U272  ADP150AUJZ-1.8-R7  [ADP150AUJZ]  90.81 75.56 180 bottom
U273  25AA512T-I/SN  [25AA512T]  49.28 37.34 90 top

## Library data of the parts
C2 C13-C15 C22 C23 C97 C426 C427 C430 C431 C462 C463 C491 C492 C505 C524-C527 C546-C548 C552-C555 C641 C798-C800 C815 C839 C842 C847 C849 C851-C853 C864 C866 C881 C883 C885 C1184-C1186 C2011 C2012 C2256 C2413 C2443 C2447 C2449 C2482 C2491 C2493 C2494 C2960 C2961 = 0_1UF_0
C114 C115 C1153-C1156 C1178 C1197 C1205 C1215 C1230 C1274 C2084 C2085 C2092-C2094 C2490 C2492 = 22UF_0
C123 = 47UF_0: signal model: SR0402-BGA_0
C143 C425 C521 C549 C766 C770 C777 C784 C791 C1172-C1174 C1181 C1193-C1196 C1198-C1201 C1232 C1233 C1267-C1270 = 47UF_0
C144 C146 C153 C155 C165 C166 C401 C403 C408-C410 C415 C417-C420 C434 C438 C440 C441 C494 C495 C506-C508 C510 C511 C514-C516 C522 C523 C528-C536 C538-C543 C550 C551 C556-C565 C567-C573 C753-C764 C767-C769 C771-C776 C778-C783 C785-C790 C792-C797 C865 C1151 C1279 C1280 C1296 C1302 C1304 C1324 C1328 C1340 C2441 C2475 C2477 C2483 C2486 C2488 C2495 = 4_7UF_0
C161 C162 C400 C407 C414 C437 C493 C751 C752 C765 = 100UF_0
C187 C520 C544 C545 C868 C906 C912-C914 C921 C922 C924-C930 C989 C990 C1135 C1136 C1145 C1146 C1148 C1152 C1159 C1176 C1177 C1179 C1180 C1182 C1183 C1187 C1188 C1190-C1192 C1203 C1204 C1206-C1209 C1216 C1231 C1234 C1256 C1265 C1272 C1273 C1275-C1278 C1282 C1298 C1299 C1301 C1303 C1326 C1327 C1329 C1337 C1338 C1348 C2086 C2088 C2381 C2383 C2385 C2412 C2415 C2418 C2423-C2425 C2428-C2430 C2433 C2450 C2469 C2470 C2472-C2474 C2476 C2478 C2480 C2481 C2485 C2487 C2489 C2499-C2501 C2965-C2967 = 0_01UF_0
C217 = 0_1UF_0: signal model: SC0402-BGA-A_100NF/25V
C224 C640 C1157 = 4_7UF_1
C250 C566 C841 C846 C850 C1257-C1259 C1266 C1281 C1300 C1341 C2434 = 10UF_1
C271 C838 C1140 C2384 = 1000PF_0
C340-C344 C882 C884 C2089-C2091 C2106 C2380 C2414 C2422 C2438-C2440 C2442 C2446 C2448 C2484 = 10UF_0
C642 C907 C909-C911 C915-C920 C923 = 0_01UF_0: signal model: SC0402_100NF/10V
C854 C855 = 0_1UF_0: signal model: SC0402_100NF/10V
